# Altium PCB S7.PcbDoc (part 5 of 6)
Units mm, origin at the board's own origin, x right, y up, seen from the top; angles counter-clockwise.
Board outline 50 x 40 mm, 6 copper layers (Component Side, Inner1, Inner2, Inner3, Inner4, Solder Side), stack 0.696 mm thick; 260 components, 298 nets, 1407 pads, 891 vias.
Unrouted connection lines stored in the file: 262.
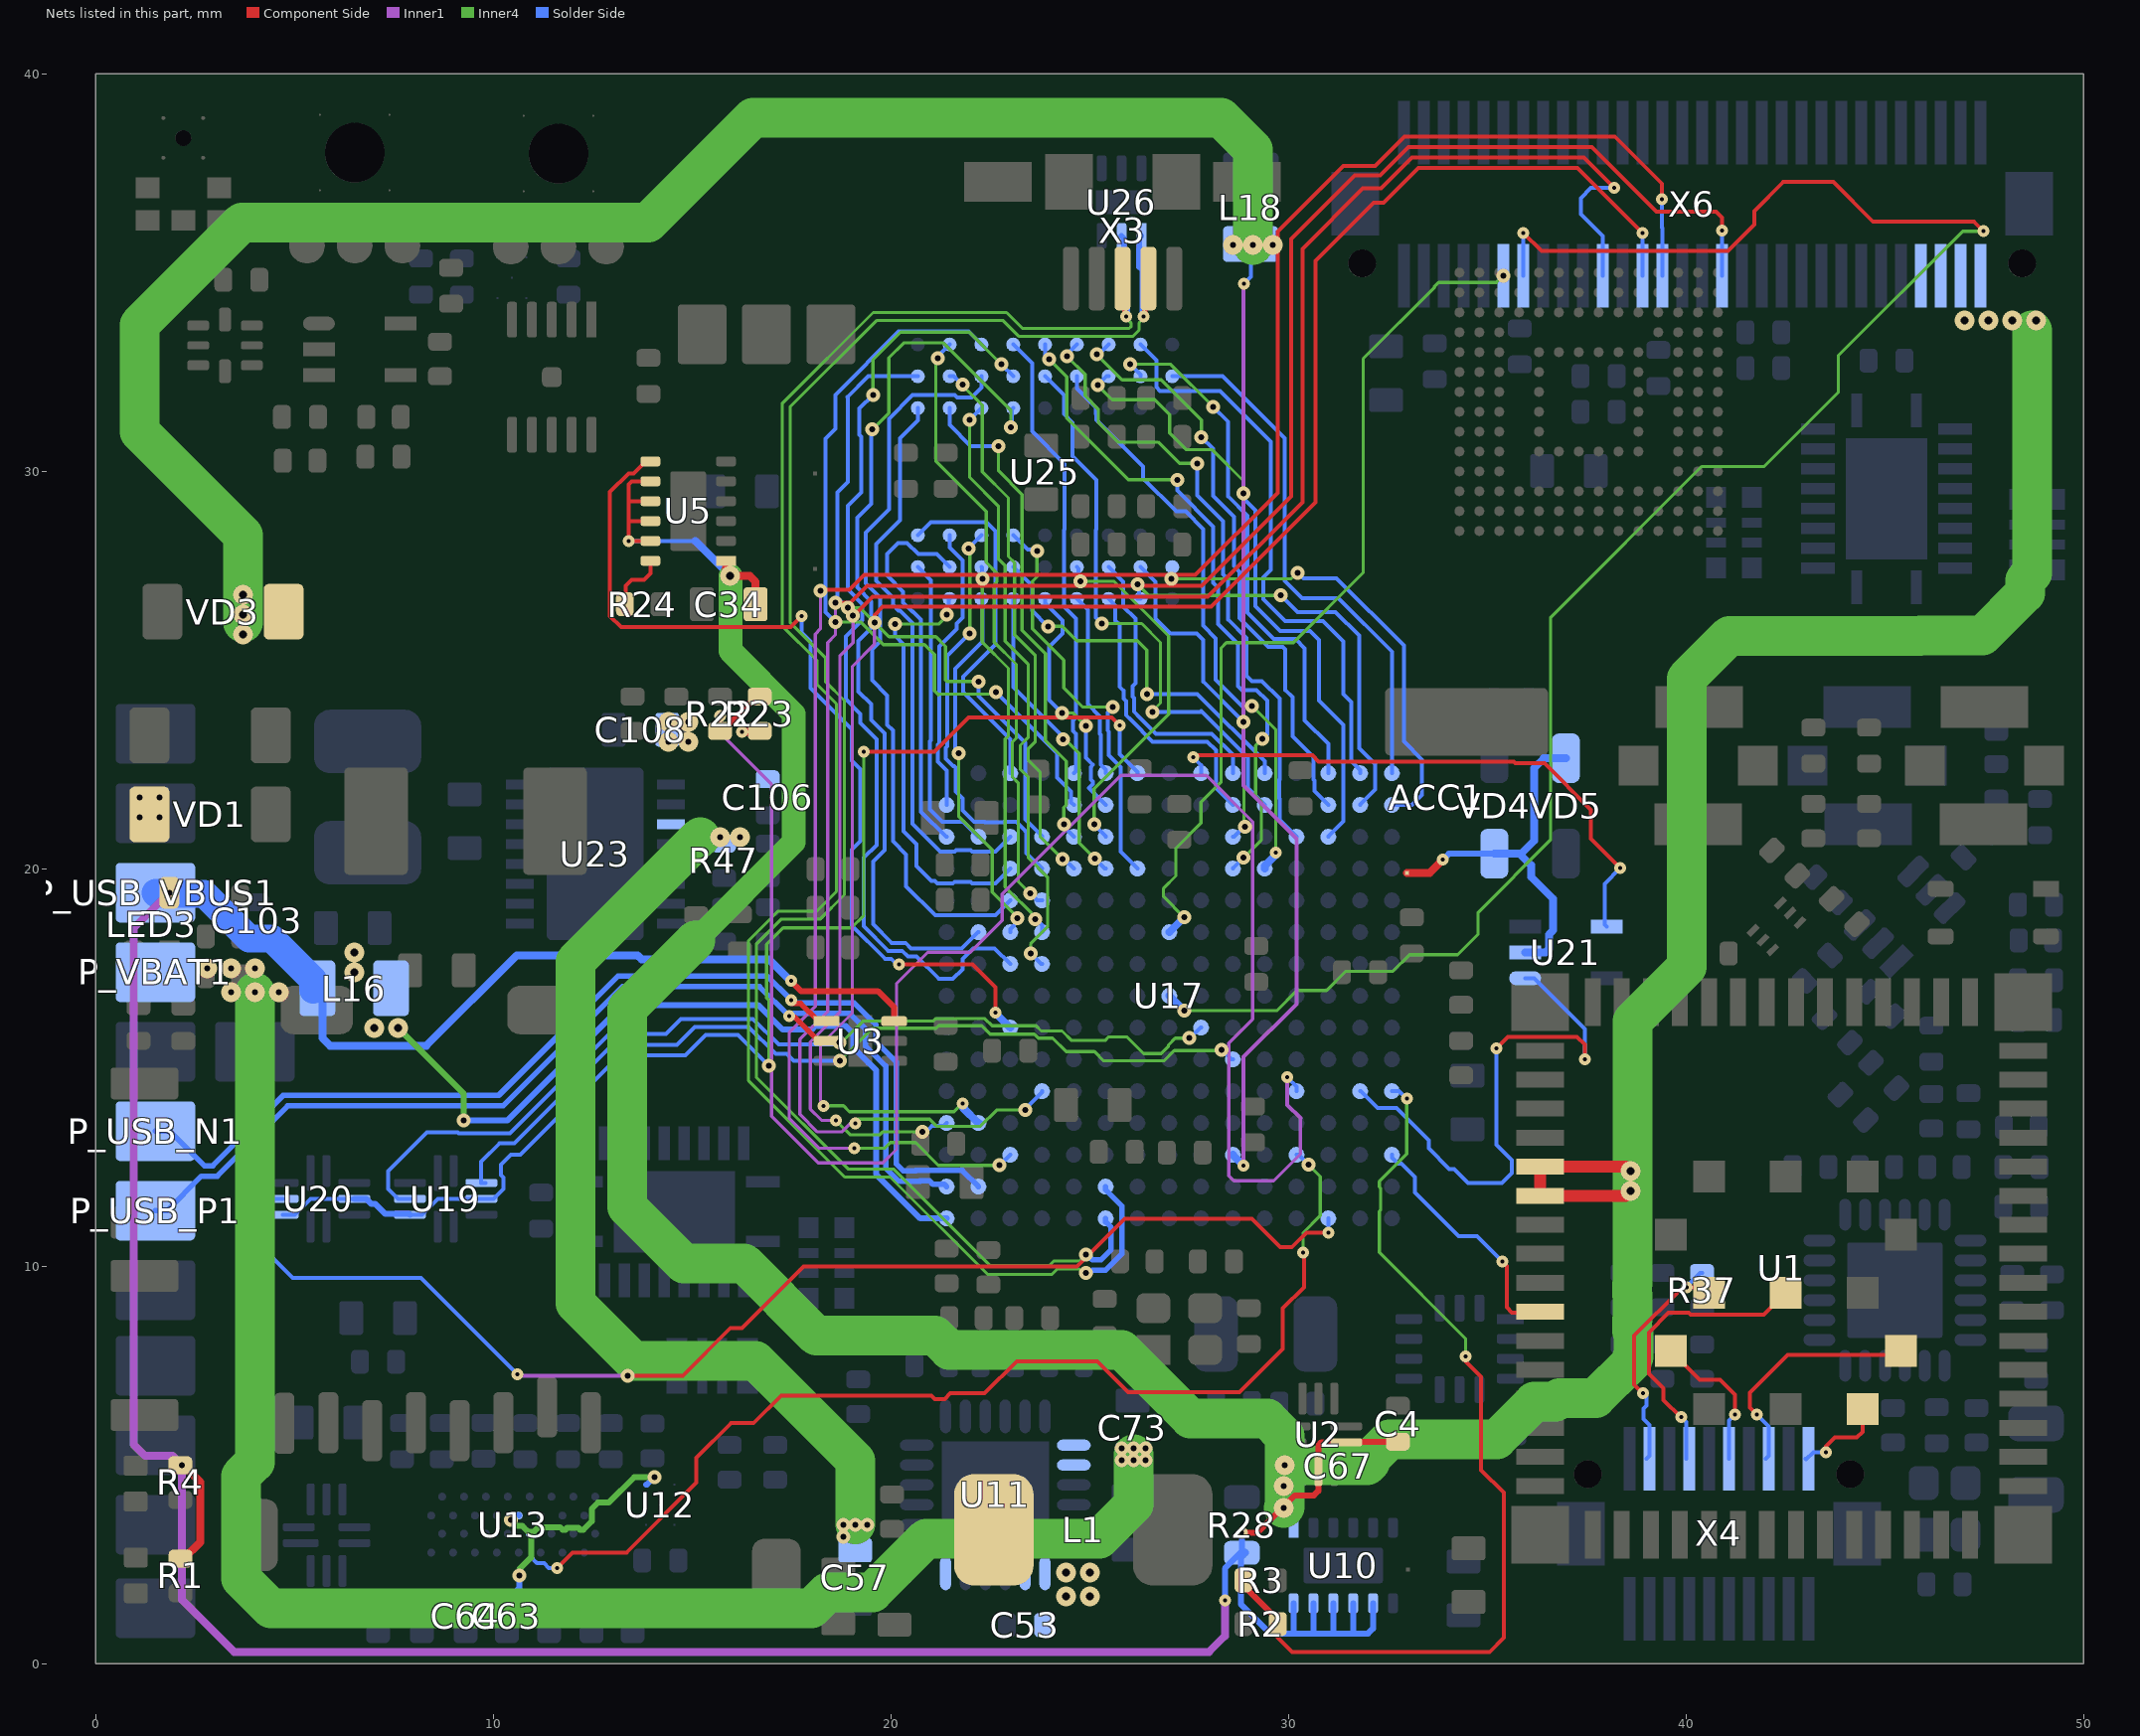
[diagram p9: the nets of this part, all layers, seen from the top]

## Via types
v1: diameter 0.3, hole 0.1, Component Side to Solder Side, tented both sides, 467 vias
v2: diameter 0.35/0.3 (per signal layer), hole 0.15, Inner4 to Solder Side, tented both sides, 214 vias
v3: diameter 0.5, hole 0.2, Component Side to Solder Side, tented both sides, 98 vias
v4: diameter 0.25/0.35 (per signal layer), hole 0.15, Component Side to Inner1, tented both sides, 46 vias
v5: diameter 0.5, hole 0.15, Inner4 to Solder Side, tented both sides, 28 vias
v6: diameter 0.5/0.5 (per signal layer), hole 0.15, Inner4 to Solder Side, tented both sides, 14 vias
v7: diameter 0.3, hole 0.1, Inner4 to Solder Side, tented both sides, 6 vias
v8: diameter 0.5, hole 0.3, Component Side to Solder Side, 4 vias
v9: diameter 0.5, hole 0.2, Component Side to Inner1, tented both sides, 4 vias
v10: diameter 0.5, hole 0.2, Inner4 to Solder Side, tented both sides, 4 vias
v11: diameter 0.5, hole 0.15, Component Side to Inner1, tented both sides, 4 vias
v12: diameter 0.3, hole 0.1, Component Side to Inner1, tented both sides, 2 vias

## Nets (pads, with @x,y where several pads share a name; then routed paths per layer and width w, separated by ;. In a path a pad name is that pad's centre, name@x,y a point inside that pad or via, vN(x,y) a via of type N, cw(c..) or ccw(c..) an arc to the next point about the centre after c; other vN are vias at no path point) (continued)
SDRAM_A1: U17.E3 U25.H7 | length 12.5
  Inner4 w0.08: v2(22.707,30.639) 22.707,30.011 23.3,29.418 23.3,26 23.887,25.413 23.887,23.23 24.41,22.707 24.41,21.606 24.35,21.546 v2(24.35,21.123)
  Solder Side w0.1: U25.H7@21.475,31.59 21.475,31.168 22.004,30.639 v2(22.707,30.639) ; v2(24.35,21.123) 24.35,21.054 U17.E3@24.6,20.804
SDRAM_A2: U17.E4 U25.H8 | length 13.9
  Inner4 w0.08: v2(21.804,32.18) 21.804,32.156 22.298,31.662 22.298,29.991 22.955,29.334 22.955,27.858 23.113,27.7 23.113,25.887 23.631,25.369 23.631,23.201 23.458,23.027 23.458,22.731 23.752,22.437 23.752,20.813 v2(24.315,20.25)
  Solder Side w0.1: U25.H8@21.475,32.39 21.585,32.39 21.804,32.171 v2(21.804,32.18) ; v2(24.315,20.25) 24.354,20.25 U17.E4@24.6,20.004
SDRAM_A3: U17.D3 U25.J8 | length 16.6
  Inner4 w0.08: v2(18.911,26.565) 19.224,26.565 19.951,25.838 21.131,25.838 21.373,25.596 21.373,24.748 21.408,24.713 v2(22.2,24.713)
  Solder Side w0.1: v2(18.911,26.565) 18.65,26.827 18.65,29.471 18.911,29.732 18.911,31.858 18.905,31.864 19.431,32.39 U25.J8@20.675,32.39 ; v2(22.2,24.713) 22.2,24.349 23.375,23.174 23.375,21.242 23.8,20.817 U17.D3@23.8,20.804
SDRAM_A4: U17.C3 U25.J7 | length 14.2
  Solder Side w0.1: U25.J7@20.675,31.59 20.675,31.281 20.225,30.831 20.225,28.772 19.626,28.172 19.626,27.247 20.05,26.822 20.05,26.641 20.196,26.495 20.228,26.495 20.54,26.182 20.54,21.133 21.245,20.429 21.599,20.429 21.645,20.475 21.999,20.475 22.045,20.429 22.625,20.429 U17.C3@23,20.804
SDRAM_A5: U17.C1 U25.J3 | length 9.1
  Solder Side w0.1: U25.J3@20.675,28.39 21,28.715 22.41,28.715 22.625,28.5 22.625,25.64 21.822,24.837 21.822,24.441 23,23.262 U17.C1@23,22.404
SDRAM_A6: U17.B3 U25.J2 | length 7.8
  Solder Side w0.1: U25.J2@20.675,27.59 21.009,27.256 21.009,23.239 20.977,23.208 20.977,21.496 21.295,21.179 21.812,21.179 22.187,20.804 U17.B3@22.2,20.804
SDRAM_A7: U17.A2 U25.H3 | length 7.3
  Solder Side w0.1: U17.A2@21.4,21.604 21.4,22.467 21.177,22.69 21.177,23.125 21.22,23.167 21.22,25.594 21.655,26.029 21.655,26.17 21.8,26.315 21.8,27.755 21.475,28.08 U25.H3@21.475,28.39
SDRAM_A8: U17.A3 U25.H2 | length 9.7
  Solder Side w0.1: U17.A3@21.4,20.804 21.387,20.804 20.752,21.439 20.752,26.27 20.557,26.465 20.54,26.465 20.306,26.699 20.306,26.974 19.9,27.38 19.9,27.924 20.176,28.2 20.405,28.2 20.69,27.915 21.15,27.915 U25.H2@21.475,27.59
SDRAM_A9: U17.C4 U25.H1 | length 11
  Inner4 w0.08: v2(20.101,26.161) 21.214,26.161 21.4,26.347 v2(21.4,26.4)
  Solder Side w0.1: v2(20.101,26.161) 20.101,25.864 20.32,25.646 20.32,20.945 20.64,20.625 20.64,20.066 21.016,19.69 21.103,19.69 21.164,19.629 21.559,19.629 21.604,19.675 21.999,19.675 22.045,19.629 22.625,19.629 U17.C4@23,20.004 ; v2(21.4,26.4) 21.4,26.395 21.451,26.344 21.451,26.766 U25.H1@21.475,26.79
SDRAM_A10: U17.D4 U25.G3 | length 10.5
  Inner4 w0.08: v2(21.955,28.06) 21.955,28.028 22.035,27.947 21.985,27.896 v2(21.985,25.925)
  Solder Side w0.1: v2(21.955,28.06) 21.95,28.065 U25.G3@22.275,28.39 ; v2(21.985,25.925) 21.42,25.36 21.42,23.084 21.377,23.042 21.377,22.773 21.568,22.582 21.588,22.582 21.625,22.545 21.625,21.942 21.8,21.767 21.8,21.474 22.095,21.179 22.355,21.179 22.361,21.173 22.839,21.173 22.845,21.179 23.155,21.179 23.375,20.959 23.375,20.948 23.406,20.917 23.406,20.398 U17.D4@23.8,20.004
SDRAM_A11: U17.D5 U25.H9 | length 15.4
  Inner4 w0.08: v2(21.182,32.85) 21.127,32.795 21.127,30.263 22.4,28.99 22.4,27.707 22.664,27.443 22.664,27.218 22.598,27.152 22.598,25.702 23.155,25.145 23.155,23.29 23.055,23.19 23.055,22.31 23.202,22.163 23.202,19.683 v2(23.502,19.383)
  Solder Side w0.1: v2(21.182,32.85) 21.182,32.897 U25.H9@21.475,33.19 ; v2(23.502,19.383) 23.681,19.204 U17.D5@23.8,19.204
SDRAM_A12: U17.D6 U25.G2 | length 9.8
  Inner4 w0.08: v2(22.3,27.3) 22.3,25.7 22.955,25.045 22.955,23.344 22.875,23.265 22.875,19.543 v2@23.631,18.787
  Solder Side w0.1: U25.G2@22.275,27.59 22.287,27.578 22.287,27.312 v2(22.3,27.3) ; v2(23.625,18.729) 23.65,18.729 23.8,18.579 U17.D6@23.8,18.404
SDRAM_A13: U17.D7 U25.G7 | length 15.4
  Inner4 w0.08: v2(21.982,31.3) 21.982,29.845 22.701,29.126 22.701,27.799 22.875,27.626 22.875,25.725 23.451,25.149 23.451,23.303 23.255,23.107 23.255,22.503 23.458,22.3 23.458,20.272 23.94,19.79 23.94,18.536 23.515,18.111 v2(23.515,17.872)
  Solder Side w0.1: v2(21.982,31.3) 21.985,31.3 U25.G7@22.275,31.59 ; v2(23.515,17.872) 23.782,17.604 U17.D7@23.8,17.604
SDRAM_A14: U17.C5 U25.G8 | length 18.7
  Solder Side w0.1: U25.G8@22.275,32.39 22.275,32.106 22.024,31.855 21.669,31.855 21.61,31.915 20.54,31.915 19.95,31.325 19.95,29.04 19.364,28.455 19.364,27.186 19.725,26.825 19.725,25.722 19.525,25.522 19.525,24.745 19.91,24.36 19.91,23.623 20.05,23.483 20.05,20.69 20.381,20.359 20.381,19.564 21.116,18.829 22.625,18.829 U17.C5@23,19.204
SDRAM_A15: U17.C6 U25.G1 | length 9.5
  Inner4 w0.08: v2(21.702,22.907) 21.702,21.323 22.548,20.478 22.548,19.415 23.25,18.713 23.236,18.698 23.182,18.752 v2(23.175,18.752)
  Solder Side w0.1: v2(21.702,22.907) 21.622,22.988 21.622,25.038 22.31,25.726 22.31,26.755 U25.G1@22.275,26.79 ; U17.C6@23,18.404 23,18.487 v2@23.208,18.696
SDRAM_CAS#: U17.B6 U25.F7 | length 23.2
  Inner4 w0.08: v2(19.532,31.053) 19.947,31.468 19.947,32.857 20.32,33.23 21.325,33.23 23.015,31.54 v2(23.015,31.112)
  Solder Side w0.1: v2(19.532,31.053) 19.506,31.027 19.506,29.186 19.15,28.83 19.15,27.077 19.506,26.721 19.506,26.058 19.184,25.736 19.184,24.462 19.505,24.141 19.506,23.744 19.842,23.407 19.842,20.471 19.55,20.179 19.55,18.607 20.018,18.139 20.368,18.139 20.507,18 21.783,18 22.187,18.404 U17.B6@22.2,18.404 ; v2(23.015,31.112) 23.045,31.143 23.045,31.56 U25.F7@23.075,31.59
SDRAM_CKE: U17.G4 U25.F3 | length 10.4
  Inner4 w0.08: v2(23.674,27.99) 23.674,27.347 23.559,27.232 23.559,26.039 24.35,25.249 24.35,24.547 24.83,24.068 ; 24.83,24.068 v2(25.585,24.068)
  Solder Side w0.1: U25.F3@23.075,28.39 23.437,28.028 23.636,28.028 v2(23.674,27.99) ; v2(25.585,24.068) 25.454,23.936 25.454,23.478 25.48,23.451 25.48,22.854 25.775,22.559 25.775,20.429 U17.G4@26.2,20.004
SDRAM_DQ0: U17.R1 U25.A8 | length 13.6
  Solder Side w0.1: U25.A8@27.075,32.39 28.338,32.39 29.899,30.829 29.899,27.246 30.341,26.805 31.259,26.805 32.6,25.464 U17.R1@32.6,22.404
SDRAM_DQ1: U17.P1 U25.B9 | length 14.7
  Solder Side w0.1: U25.B9@26.275,33.19 26.674,32.791 26.674,32.116 26.765,32.025 28.279,32.025 29.558,30.746 29.558,27.517 29.37,27.329 29.37,26.781 29.916,26.235 30.865,26.235 31.375,25.724 31.375,24.401 31.575,24.201 31.575,22.709 31.8,22.484 U17.P1@31.8,22.404
SDRAM_DQ2: U17.N1 U25.B8 | length 13.7
  Inner4 w0.08: v2(26.017,32.692) 27.037,32.692 v2(28.104,31.625)
  Solder Side w0.1: v2(26.017,32.692) 26.275,32.434 U25.B8@26.275,32.39 ; v2(28.104,31.625) 28.486,31.244 28.486,29.371 28.97,28.886 28.97,26.446 29.629,25.786 30.174,25.786 30.409,25.551 30.409,23.737 31,23.146 U17.N1@31,22.404
SDRAM_DQ3: U17.N2 U25.C9 | length 14.9
  Inner4 w0.08: v2(25.175,32.94) 25.814,32.301 26.803,32.301 27.81,31.294 v2(27.81,30.86)
  Solder Side w0.1: v2(25.175,32.94) 25.225,32.94 U25.C9@25.475,33.19 ; v2(27.81,30.86) 28.1,30.57 28.1,29.379 28.625,28.854 28.625,27.616 28.77,27.471 28.77,26.314 29.497,25.586 29.854,25.586 29.916,25.524 29.916,24.502 30.1,24.318 30.1,23.336 30.625,22.811 30.625,22.249 30.65,22.224 30.65,21.956 ; 30.649,21.955 U17.N2@31,21.604
SDRAM_DQ4: U17.N3 U25.C8 | length 15.9
  Inner4 w0.08: v2(25.2,32.167) 25.515,31.852 25.567,31.8 26.64,31.8 27.013,31.427 27.013,30.96 27.431,30.542 28.083,30.542 28.866,29.759 v2(28.866,29.45)
  Solder Side w0.1: v2(25.2,32.167) 25.423,32.39 U25.C8@25.475,32.39 ; v2(28.866,29.45) 28.866,29.323 29.17,29.019 29.17,26.604 29.788,25.986 30.543,25.986 30.769,25.76 30.769,24.232 31.375,23.626 31.375,21.192 31,20.817 U17.N3@31,20.804
SDRAM_DQ5: U17.M3 U25.D9 | length 15.9
  Inner4 w0.08: v2(24.43,32.892) 24.885,32.437 24.885,31.898 25.214,31.568 25.214,31.236 25.714,30.736 26.719,30.736 27.256,30.2 v2(27.7,30.2)
  Solder Side w0.1: v2(24.43,32.892) 24.43,32.945 U25.D9@24.675,33.19 ; v2(27.7,30.2) 27.7,29.391 28.349,28.741 28.349,27.405 28.486,27.269 28.486,26.269 28.946,25.808 28.946,24.86 29.082,24.725 29.33,24.725 29.775,24.28 29.775,22.249 29.771,22.245 29.771,21.767 29.775,21.763 29.775,21.229 U17.M3@30.2,20.804
SDRAM_DQ6: U17.L4 U25.D8 | length 14.9
  Inner4 w0.08: v2(29.079,24.101) 29.68,23.5 v1(29.68,20.41)
  Solder Side w0.1: U25.D8@24.675,32.39 24.675,32.087 25.15,31.612 25.15,31.444 25.17,31.424 25.17,31.292 26.34,30.123 26.34,29.825 27.175,28.99 27.413,28.99 27.852,28.551 27.852,26.119 28.17,25.801 28.17,24.757 28.826,24.101 v2(29.079,24.101)
  Solder Side w0.2: U17.L4@29.4,20.004 29.4,20.072 29.661,20.333 29.661,20.391 v1(29.68,20.41)
SDRAM_DQ7: U17.K4 U25.E9 | length 17
  Inner4 w0.08: v2(23.977,32.823) 24.425,32.375 24.425,31.335 25.972,29.788 v2(27.2,29.788) ; v2(28.866,20.28) 28.852,20.266 28.852,20.256 29.314,20.718 29.314,21.69 29.175,21.829 29.175,23.097 v2(29.342,23.265)
  Solder Side w0.1: U25.E9@23.875,33.19 23.875,32.925 v2(23.977,32.823) ; v2(27.2,29.788) 27.2,29.515 28.104,28.611 28.104,27.192 28.225,27.072 28.225,26.161 28.725,25.661 28.725,24.6 28.825,24.5 29.195,24.5 29.461,24.234 29.461,23.383 v2(29.342,23.265) ; U17.K4@28.6,20.004 28.6,20.014 v2(28.866,20.28)
SDRAM_DQ8: U17.F2 U25.E1 | length 6.4
  Inner4 w0.08: v2(24.302,23.922) 24.578,23.922 v2(24.9,23.6)
  Solder Side w0.1: U25.E1@23.875,26.79 23.875,26.687 24.315,26.247 24.315,25.916 23.982,25.583 23.982,24.243 v2(24.302,23.922) ; v2(24.9,23.6) 24.9,22.794 25.08,22.614 25.025,22.559 25.025,22.249 25.08,22.194 25.08,22.134 24.975,22.029 U17.F2@25.4,21.604
SDRAM_DQ9: U17.F3 U25.D2 | length 9.1
  Inner4 w0.08: v2(24.772,27.232) 25.611,27.232 26.985,25.858 26.985,23.89 25.113,22.018 v2(25.113,21.123)
  Solder Side w0.1: U25.D2@24.675,27.59 24.723,27.542 24.723,27.335 24.772,27.286 v2(24.772,27.232) ; v2(25.113,21.123) 25.113,21.107 25.4,20.82 U17.F3@25.4,20.804
SDRAM_DQ10: U17.F1 U25.D1 | length 4.7
  Solder Side w0.1: U25.D1@24.675,26.79 24.95,26.515 24.95,24.141 25.254,23.837 25.254,23.395 25.28,23.368 25.28,22.619 25.4,22.499 U17.F1@25.4,22.404
SDRAM_DQ11: U17.K1 U25.C2 | length 7.4
  Solder Side w0.1: U25.C2@25.475,27.59 25.848,27.217 25.848,26.595 26.15,26.293 26.15,24.672 26.078,24.6 26.078,24.333 26.111,24.299 26.111,23.954 26.254,23.811 26.665,23.4 28.067,23.4 28.6,22.867 U17.K1@28.6,22.404
SDRAM_DQ12: U17.K2 U25.C1 | length 7.3
  Solder Side w0.1: U25.C1@25.475,26.79 25.648,26.617 25.648,26.242 25.75,26.14 25.75,24.577 25.85,24.477 25.85,24.277 25.911,24.217 25.911,23.871 26.054,23.728 26.582,23.2 27.96,23.2 28.175,22.985 28.175,22.029 U17.K2@28.6,21.604
SDRAM_DQ13: U17.K3 U25.B2 | length 8.4
  Inner4 w0.08: v2(28.866,23.7) 28.883,23.683 28.883,21.071 v2(28.9,21.054)
  Solder Side w0.1: U25.B2@26.275,27.59 26.65,27.215 26.65,26.296 27.029,25.916 27.69,25.916 27.852,25.754 27.852,24.714 v2(28.866,23.7) ; U17.K3@28.6,20.804 28.625,20.804 28.875,21.054 v2(28.9,21.054)
SDRAM_DQ14: U17.P2 U25.B1 | length 11.2
  Inner4 w0.08: v2(26.2,27.16) 26.482,26.877 v2(29.809,26.877)
  Solder Side w0.1: v2(26.2,27.16) 26.237,27.122 26.237,26.828 26.2,26.79 U25.B1@26.275,26.79 ; v2(29.809,26.877) 30.226,26.46 31.179,26.46 31.775,25.865 31.775,23.033 32.175,22.633 32.175,21.992 31.8,21.617 U17.P2@31.8,21.604
SDRAM_DQ15: U17.R2 U25.A2 | length 11.7
  Inner4 w0.08: v2(27.051,27.292) 27.051,27.249 27.041,27.239 26.985,27.295 30.065,27.295 30.221,27.451 v2(30.224,27.451)
  Solder Side w0.1: v2(30.224,27.451) 30.242,27.451 30.383,27.31 31.205,27.31 32.9,25.615 32.9,23.206 33.356,22.75 33.356,21.855 33.105,21.604 U17.R2@32.6,21.604
SDRAM_DQM0: U17.L2 U25.E8 | length 14.6
  Inner4 w0.08: v2(25.307,26.17) 26.306,26.17 26.78,25.697 26.78,24.17 26.574,23.965 v2(26.575,23.95)
  Solder Side w0.1: U25.E8@23.875,32.39 24.35,31.915 24.35,31.444 24.57,31.224 24.57,30.386 25.17,29.786 25.17,28.545 25.15,28.525 25.15,26.326 v2(25.307,26.17) ; v2(26.575,23.95) 27.787,23.95 27.804,23.965 28.975,22.794 28.975,22.029 U17.L2@29.4,21.604
SDRAM_DQM1: U17.F4 U25.F1 | length 7.8
  Inner4 w0.08: v2(24.325,23.254) 24.357,23.254 24.373,23.269 24.738,22.905 24.738,20.651 v2(25.132,20.256)
  Solder Side w0.1: U25.F1@23.075,26.79 23.075,24.567 24.325,23.317 v2(24.325,23.254) ; v2(25.132,20.256) 25.384,20.004 U17.F4@25.4,20.004
SDRAM_PWR_EN: R24.1 U5.12 | length 1.5
  Component Side w0.1: R24.1@13.31,26.656 13.328,26.674 13.328,27.118 13.48,27.27 13.789,27.27 13.95,27.431 U5.12@13.95,27.75
SDRAM_PWR_GOOD: U5.7 U17.C9 | length 23.5
  Component Side w0.1: U5.7@13.95,30.25 13.825,30.25 13.525,29.95 13.402,29.95 12.935,29.483 12.935,26.359 13.214,26.081 17.479,26.081 v1(17.751,26.352) ; v1(20.2,17.6) 22.05,17.6 22.625,17.025 v1(22.625,16.379)
  Solder Side w0.1: v1(17.751,26.352) 17.751,25.944 17.975,25.72 17.975,24.551 19.02,23.506 19.02,22.718 19.232,22.506 19.232,20.695 19.02,20.484 19.02,18.572 19.853,17.739 20.007,17.739 20.119,17.627 20.227,17.627 v1(20.2,17.6)
  Solder Side w0.2: v1(22.625,16.379) U17.C9@23,16.004
SDRAM_RAS#: U17.C7 U25.F8 | length 24.5
  Inner4 w0.08: v2(19.55,31.923) 19.55,32.809 20.241,33.5 21.974,33.5 v2(22.781,32.693)
  Solder Side w0.1: v2(19.55,31.923) 19.207,31.579 19.207,30.918 19.251,30.873 19.251,29.467 18.911,29.128 18.911,27.032 19.284,26.658 19.284,26.262 18.866,25.844 18.866,24.266 19.232,23.9 19.232,23.668 19.642,23.258 19.642,20.601 19.32,20.278 19.32,18.554 19.935,17.939 20.285,17.939 20.424,17.8 20.64,17.8 21.211,17.229 21.555,17.229 21.8,17.474 21.8,17.734 22.066,18 22.604,18 U17.C7@23,17.604 ; v2(22.781,32.693) 22.781,32.689 23.075,32.394 U25.F8@23.075,32.39
SDRAM_SDCLK: U17.L1 U25.F2 | length 9.7
  Inner4 w0.08: v2(23.955,26.1) 24.312,26.1 24.522,25.89 24.674,25.738 26.201,25.738 26.436,25.503 v2(26.436,24.4)
  Solder Side w0.1: U25.F2@23.075,27.59 23.55,27.115 23.55,26.49 23.94,26.1 v2(23.955,26.1) ; v2(26.436,24.4) 27.706,24.4 29.4,22.706 U17.L1@29.4,22.404
SDRAM_SDCS#: U17.E2 U25.G9 | length 19.4
  Inner4 w0.08: v2(18.605,26.21) 19.238,26.21 19.807,25.64 20.844,25.64 21.097,25.387 21.097,24.475 21.199,24.373 21.224,24.398 22.597,24.398 v2(22.64,24.441)
  Solder Side w0.1: v2(18.605,26.21) 18.354,26.46 18.354,30.817 18.605,31.068 18.605,31.92 18.6,31.925 20.19,33.515 21.95,33.515 U25.G9@22.275,33.19 ; v2(22.64,24.441) 24.175,22.905 24.175,22.299 24.533,21.941 24.533,21.671 U17.E2@24.6,21.604
SDRAM_WE#: U17.E1 U25.F9 | length 11.5
  Solder Side w0.1: U25.F9@23.075,33.19 23.55,32.715 23.55,31.006 24.37,30.186 24.37,28.545 24.35,28.525 24.35,26.594 24.651,26.293 24.651,23.81 24.575,23.735 24.575,23.465 24.651,23.39 24.651,22.455 U17.E1@24.6,22.404
SEL_DMIC: U17.G1 U19.4 U19.8 U20.4 U20.8 | length 33.4
  Component Side w0.1: v1(19.32,22.94) 19.323,22.943 21.09,22.943 21.955,23.808 25.549,23.808 v1(25.754,23.604)
  Inner4 w0.08: v2(16.935,15.04) 16.935,16.687 16.871,16.75 16.871,18.098 17.29,18.517 19.005,18.517 19.32,18.832 v1(19.32,22.94)
  Solder Side w0.1: U20.8@4.7,11.3 5,11.3 5.4,11.7 U20.4@6.5,11.7 ; U19.8@7.9,11.3 8.2,11.3 8.6,11.7 U19.4@9.7,11.7 10,11.7 10.25,11.95 10.25,12.233 10.19,12.293 10.19,12.554 10.445,12.81 10.678,12.81 13.181,15.313 14.829,15.313 15.342,15.825 16.15,15.825 v2(16.935,15.04) ; v1(25.754,23.604) 25.754,22.883 26.2,22.437 U17.G1@26.2,22.404
  Solder Side w0.15: U20.4@6.5,11.7 6.8,11.7 6.925,11.575 7.025,11.575 7.275,11.325 7.875,11.325 U19.8@7.9,11.3
SPI1_CLK: U17.D11 X6.47 | length 53.2
  Component Side w0.1: v4(18.605,26.694) 18.976,26.694 19.4,27.118 27.82,27.118 30.068,29.366 30.068,35.845 31.664,37.442 32.3,37.442 33.015,38.156 37.634,38.156 39.26,36.53 40.75,36.53 40.9,36.38 v1(40.9,36.055)
  Inner1 w0.08: v4(18.605,26.694) 18.605,25.889 18.41,25.694 18.41,16.409 17.71,15.709 17.71,13.822 18.153,13.38 18.765,13.38 18.985,13.6 v1(19.1,13.6)
  Inner4 w0.08: v1(19.1,13.6) 19.1,13.685 19.085,13.7 20.974,13.7 21.151,13.523 22.253,13.523 22.66,13.93 v2(23.38,13.93)
  Solder Side w0.1: v2(23.38,13.93) 23.38,13.957 23.8,14.377 U17.D11@23.8,14.404 ; X6.47@40.9,34.925 v1(40.9,36.055)
SPI1_MISO: U17.A12 X6.41 | length 47.8
  Component Side w0.1: v4(19.047,26.369) 19.065,26.369 19.539,26.843 27.972,26.843 30.35,29.221 30.35,35.597 31.872,37.119 32.335,37.119 33.108,37.892 37.433,37.892 v1(38.197,37.129)
  Inner1 w0.08: v1(18.613,13.67) 18.26,13.67 17.975,13.955 17.975,15.645 18.714,16.384 18.714,25.356 19.048,25.689 v4(19.047,26.369)
  Inner4 w0.08: v1(18.613,13.67) 18.973,13.31 19.726,13.31 19.801,13.385 v2(20.794,13.385)
  Solder Side w0.1: v2(20.794,13.385) 20.883,13.385 21.036,13.537 21.333,13.537 U17.A12@21.4,13.604 ; X6.41@37.9,34.925 37.9,35.924 37.349,36.475 37.349,36.872 37.606,37.129 v1(38.197,37.129)
SPI1_MOSI: U17.B12 X6.43 | length 46.5
  Component Side w0.1: v4(19.588,26.202) v4(19.588,26.202) 19.589,26.389 19.796,26.595 28.054,26.595 30.679,29.22 30.679,35.291 32.146,36.758 32.391,36.758 33.269,37.636 37.265,37.636 v1(38.9,36.001)
  Inner1 w0.08: v1(18.302,14.038) 18.23,14.11 18.23,15.571 19.03,16.371 19.03,25.09 19.588,25.648 v4(19.588,26.202)
  Inner4 w0.08: v1(18.302,14.038) 18.807,14.038 18.954,13.89 21.588,13.89 21.798,14.1 v1(21.8,14.1)
  Solder Side w0.1: X6.43@38.9,34.925 v1(38.9,36.001)
  Solder Side w0.2: v1(21.8,14.1) 21.819,14.081 21.819,13.985 U17.B12@22.2,13.604
SPI1_SS2: U17.C13 X6.44 | length 52.4
  Component Side w0.1: v4(18.228,26.99) 18.257,27.019 18.958,27.019 19.329,27.39 27.656,27.39 29.725,29.459 29.725,36.037 31.374,37.685 32.175,37.685 32.915,38.425 38.21,38.425 39.398,37.237 v1(39.398,36.848)
  Inner1 w0.08: v4(18.228,26.99) 18.228,26.034 18.1,25.906 18.1,16.54 17.44,15.88 17.44,13.729 18.199,12.969 v1(19.076,12.969)
  Inner4 w0.08: v1(19.076,12.969) 19.84,12.969 19.983,13.113 20.621,13.113 21.193,12.541 v2(22.735,12.541)
  Solder Side w0.1: v2(22.735,12.541) U17.C13@23,12.804 U17.C13@23,12.804 ; v1(39.398,36.848) 39.398,36.127 39.4,36.125 X6.44@39.4,34.925
SSIRXD0: U17.J9 U19.9 | length 24.4
  Inner4 w0.08: v2@18.762,15.632 19.297,16.167 21.063,16.167 21.126,16.23 22.364,16.23 22.544,16.05 23.65,16.05 23.78,15.92 24.305,15.92 24.544,15.681 25.386,15.681 25.475,15.77 25.934,15.77 26.353,15.35 26.797,15.35 26.982,15.535 26.982,15.57 27.152,15.74 v2(27.51,15.74)
  Solder Side w0.1: U19.9@7.9,11.7 7.6,11.7 7.35,11.95 7.35,12.39 8.333,13.373 9.101,13.373 9.124,13.35 10.42,13.35 12.919,15.849 14.345,15.849 14.721,16.225 16.53,16.225 17.176,15.579 18.691,15.579 18.704,15.592 v2(18.704,15.632) ; v2(27.51,15.74) 27.523,15.74 27.787,16.004 U17.J9@27.8,16.004
SSISCK0: U17.N15 U20.9 | length 32.2
  Component Side w0.1: v4(13.384,7.242) 14.763,7.242 15.961,8.44 16.252,8.44 17.802,9.99 24.676,9.99 25.885,11.199 29.076,11.199 29.794,10.48 30.086,10.48 30.45,10.845 v1(31,10.845)
  Inner1 w0.1: v1(10.61,7.277) 10.645,7.242 v4(13.384,7.242)
  Solder Side w0.1: U20.9@4.7,11.7 4.4,11.7 4.15,11.45 4.15,10.511 4.95,9.711 8.177,9.711 v1(10.61,7.277) ; v1(31,10.845) U17.N15@31,11.204
SSITXD0: U13.C7 U17.M13 | length 28.5
  Component Side w0.1: v1(11.61,2.412) 11.997,2.8 13.348,2.8 15.105,4.557 15.105,5.182 15.975,6.052 16.544,6.052 17.242,6.75 21.016,6.75 21.106,6.66 21.354,6.66 21.497,6.803 22.36,6.803 23.167,7.61 25.195,7.61 25.97,6.835 28.765,6.835 29.853,7.922 29.853,7.945 29.86,7.952 29.86,8.943 30.39,9.473 30.39,10.274 v1@30.37,10.294
  Inner4 w0.08: v1(30.37,10.34) 30.37,10.845 30.8,11.275 30.8,12.258 30.566,12.491 v2(30.5,12.558)
  Solder Side w0.1: U13.C7@10.913,3.273 10.938,3.248 10.938,2.693 11.084,2.547 11.09,2.547 11.105,2.532 11.277,2.532 11.396,2.412 v1(11.61,2.412) ; U17.M13@30.2,12.804 30.253,12.804 v2(30.5,12.558)